# Altium PCB 1-quilter-input.PcbDoc (part 2 of 4) (continued)
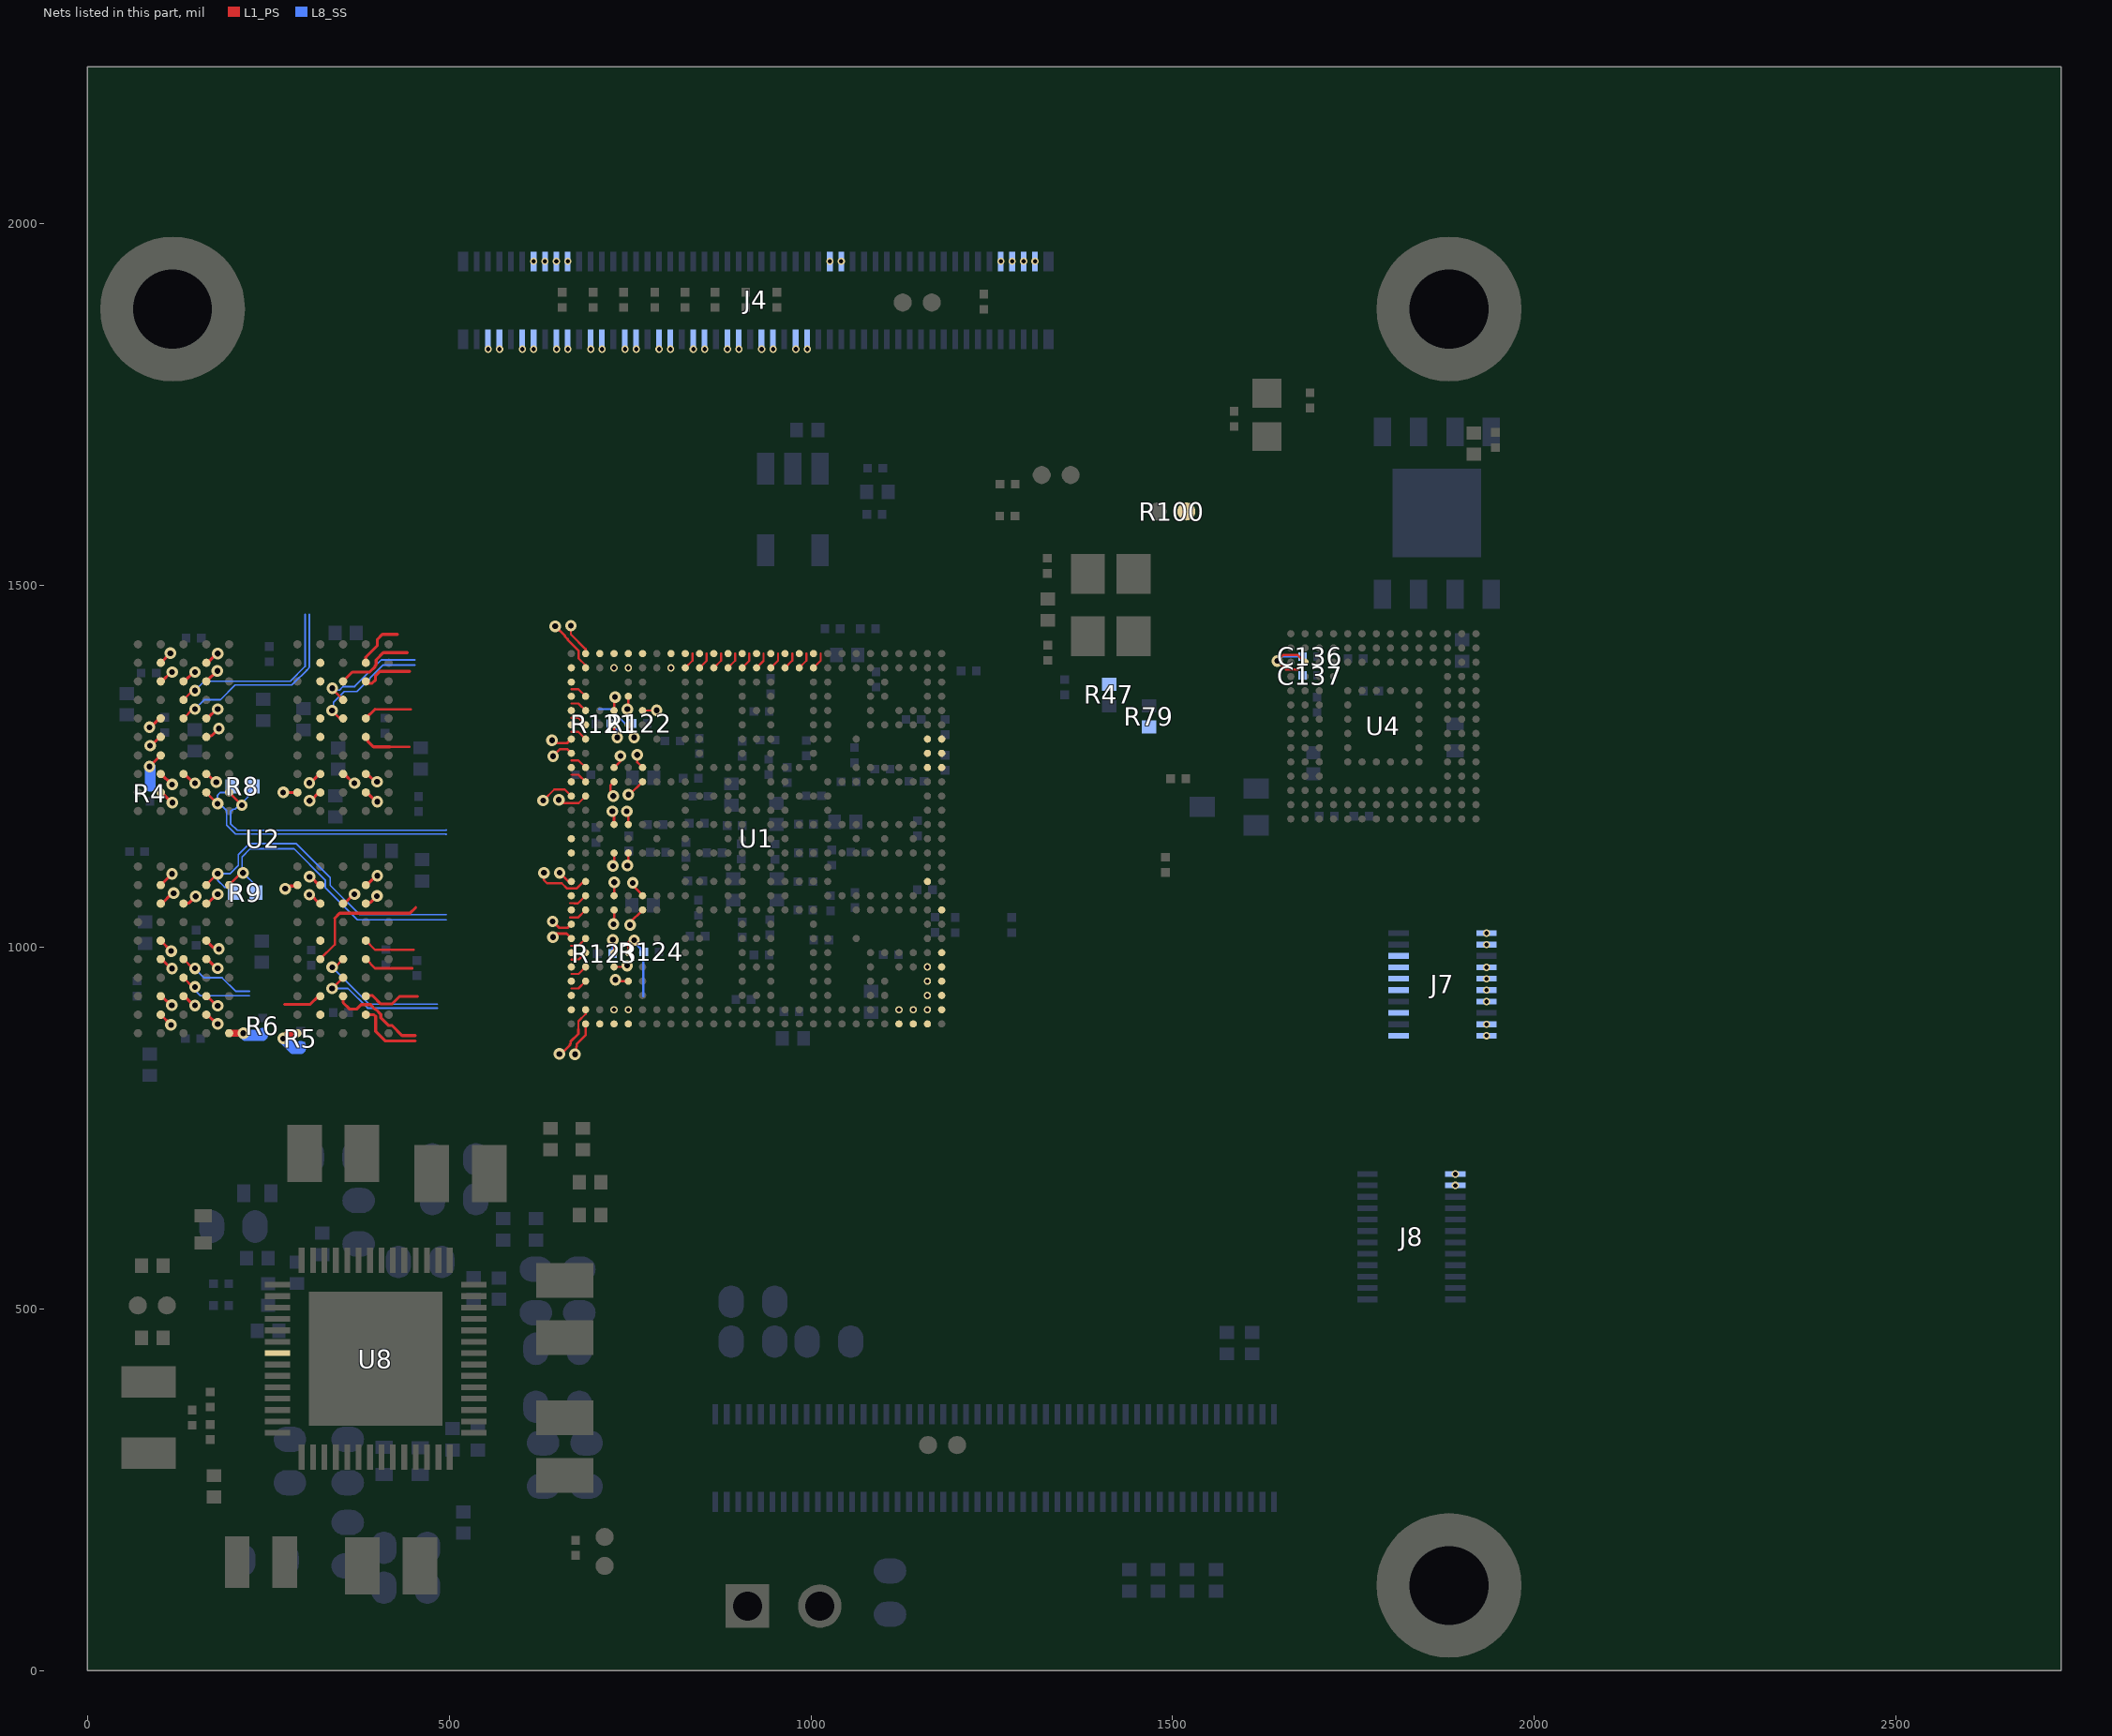
[diagram p3: the nets of this part, all layers, seen from the top]
## Part data (continued)
  R4: Part Reference=R4
  R18: Part Reference=R18
  R23: Part Reference=R23
  R117: ASSY_OPT=DNP, Part Reference=R117
  R118: ASSY_OPT=DNP, Part Reference=R118
  R119: ASSY_OPT=DNP, Part Reference=R119
  R120: ASSY_OPT=DNP, Part Reference=R120
  R121: ASSY_OPT=DNP, Part Reference=R121
  R122: ASSY_OPT=DNP, Part Reference=R122
  R123: ASSY_OPT=DNP, Part Reference=R123
  R124: ASSY_OPT=DNP, Part Reference=R124
R5 R6 R7: library part RES, "RES MF 240 OHM 1/20W 1% 0201", Temp Range="-55¡ãC ~ 125¡ãC", Tolerance=1%, Voltage=25V, AGILE_PN=470-81317, CAD_APPROVED=Yes, CLASS=DISCRETE, FPLIST=CC0201,CC0201_HD,0201_CC, HEIGHT=0.26MM, MFG_NAME01="YAGEO AMERICA", MFG_PN01=RC0201FR-07240RL, PCB Footprint=0201_CC, RoHS=Yes, Temp_Range="-55¡ãC ~ 125¡ãC"
  R5: Part Reference=R5
  R6: ASSY_OPT=DNP, Part Reference=R6
  R7: Part Reference=R7
R8 R9: library part RES, "RES MF 150 OHM 1/16W 1% 0402", Tolerance=1%, AGILE_PN=470-75353, ASSY_OPT=DNP, CAD_APPROVED=Yes, CLASS=DISCRETE, FPLIST=RC0402_25,RC0402_HD,0402_CC, HEIGHT=0.4MM, MFG_NAME01="NIC COMPONENTS CORP", MFG_PN01=NRCL04F1500TRF, PCB Footprint=0402_CC, RoHS=Yes
  R8: Part Reference=R8
  R9: Part Reference=R9
R10 R11 R12 R13 R14 R15 R16 R17 R133: library part RES, "RES MF 4.7K 1/20W 5% AEC-Q200 0201", Temp Range="-55C to +155C", Tolerance=5%, AGILE_PN=470-79700, CAD_APPROVED=Yes, CLASS=DISCRETE, FPLIST=RC0201,0201_CC, HEIGHT=0.25MM, MFG_NAME01="KOA SPEER", MFG_PN01=RK73B1HTTC472J, PCB Footprint=0201_CC, RoHS=Yes, Temp_Range="-55C to +155C"
  R10: Part Reference=R10
  R11: Part Reference=R11
  R12: Part Reference=R12
  R13: Part Reference=R13
  R14: Part Reference=R14
  R15: Part Reference=R15
  R16: ASSY_OPT=DNP, Part Reference=R16
  R17: ASSY_OPT=DNP, Part Reference=R17
  R133: Part Reference=R133
R20 R21 R102 R103 R106 R135: library part RES, "RES MF 100K 1/20W 1% 0201", Tolerance=1%, AGILE_PN=470-77704, CAD_APPROVED=Yes, CLASS=DISCRETE, FPLIST=RC0201,0201_CC, HEIGHT=0.26MM, MFG_NAME01=SKYMOS, MFG_PN01=RC-0201-104FT, PCB Footprint=0201_CC, RoHS=Yes
  R20: Part Reference=R20
  R21: Part Reference=R21
  R102: ASSY_OPT=DNP, Part Reference=R102
  R103: Part Reference=R103
  R106: Part Reference=R106
  R135: Part Reference=R135
R26: library part RES, "RES MF 510K 1/16W 5% 0402", Tolerance=5%, AGILE_PN=470-76166, CAD_APPROVED=Yes, CLASS=DISCRETE, FPLIST=RC0402_25,RC0402_HD,0402_CC, HEIGHT="0.4 MM", MFG_NAME01=PANASONIC, MFG_PN01=ERJ-2GEJ514X, Part Reference=R26, PCB Footprint=0402_CC, RoHS=Yes
R28: library part RES, "RES MF 8.2K  1/10W 1% AEC-Q200 0402", Temp Range="-55¡ãC to +155¡ãC", Tolerance=1%, AGILE_PN=470-30937, CAD_APPROVED=Yes, CLASS=DISCRETE, FPLIST=RC0402_25,RC0402_HD,0402_CC, HEIGHT="0.40 MM", MFG_NAME01="KOA SPEER", MFG_PN01=RK73H1ETTP8201F, Part Reference=R28, PCB Footprint=0402_CC, RoHS=Yes, Temp_Range="-55¡ãC to +155¡ãC"
R29 R30: library part RES, "RES MF 200 OHM 1/20W 1% 0201", Temp Range="-55¡ãC ~ 125¡ãC", Tolerance=1%, Voltage=25V, AGILE_PN=470-82323, CAD_APPROVED=Yes, CLASS=DISCRETE, FPLIST=RC0201,0201_CC, HEIGHT=0.26MM, MFG_NAME01="YAGEO AMERICA", MFG_PN01=RC0201FR-07200RL, PCB Footprint=0201_CC, RoHS=Yes, Temp_Range="-55¡ãC ~ 125¡ãC"
  R29: Part Reference=R29
  R30: Part Reference=R30
R37 R47 R71 R72 R75 R76 R79 R95 R97: library part RES, "RES MF 10K 1/16W 5% 0402", Tolerance=5%, AGILE_PN=470-75557, CAD_APPROVED=Yes, CLASS=DISCRETE, FPLIST=RC0402_25,RC0402_HD,0402_CC, HEIGHT="0.4 MM", MFG_NAME01="VISHAY INTERTECHNOLOGY", MFG_PN01=CRCW040210K0JNED, PCB Footprint=0402_CC, RoHS=Yes
  R37: Part Reference=R37
  R47: ASSY_OPT=DNP, Part Reference=R47, TOL=5%
  R71: ASSY_OPT=DNP, Part Reference=R71, TOL=5%
  R72: ASSY_OPT=DNP, Part Reference=R72, TOL=5%
  R75: ASSY_OPT=DNP, Part Reference=R75, TOL=5%
  R76: ASSY_OPT=DNP, Part Reference=R76, TOL=5%
  R79: ASSY_OPT=DNP, Part Reference=R79, TOL=5%
  R95: ASSY_OPT=DNP, Part Reference=R95, TOL=5%
  R97: ASSY_OPT=DNP, Part Reference=R97, TOL=5%
R48 R51 R52 R54 R55 R100 R111 R113 R114 R116 R127 R134 R140 R141 R142 R143 R144 R145 R146: library part RES, "RES MF ZERO OHM 1/16W 5% 0402", Tolerance=5%, Voltage=1/16W, AGILE_PN=470-75394, CAD_APPROVED=Yes, CLASS=DISCRETE, HEIGHT="0.45 MM", MFG_NAME01=ROHM, MFG_PN01=MCR01MZPJ000, RoHS=Yes
  R48: FPLIST=RC0402_25,RC0402_HD,RC0402_X2,0402_CC, Part Reference=R48, PCB Footprint=0402_CC
  R51: Part Reference=R51, PCB Footprint=0402_CC
  R52: FPLIST=RC0402_25,RC0402_HD,RC0402_X2,0402_CC, Part Reference=R52, PCB Footprint=0402_CC
  R54: FPLIST=RC0402_25,RC0402_HD,RC0402_X2,0402_CC, Part Reference=R54, PCB Footprint=0402_CC
  R55: FPLIST=RC0402_25,RC0402_HD,RC0402_X2,0402_CC, Part Reference=R55, PCB Footprint=RC0402_25
  R100: Part Reference=R100, PCB Footprint=RC0402_25, SIGNAL_MODEL=DEFAULT_RESISTOR_10000OHM_2_1, TOL=1%
  R111: Part Reference=R111, PCB Footprint=0402_CC, SIGNAL_MODEL=DEFAULT_RESISTOR_10000OHM_2_1, TOL=1%
  R113: FPLIST=RC0402_25,RC0402_HD,RC0402_X2,0402_CC, Part Reference=R113, PCB Footprint=RC0402_25, SIGNAL_MODEL=DEFAULT_RESISTOR_10000OHM_2_1, TOL=1%
  R114: Part Reference=R114, PCB Footprint=0402_CC
  R116: ASSY_OPT=DNP, Part Reference=R116, PCB Footprint=RC0402_25
  R127: FPLIST=RC0402_25,RC0402_HD,RC0402_X2,0402_CC, Part Reference=R127, PCB Footprint=RC0402_25
  R134: Part Reference=R134, PCB Footprint=RC0402_25, SIGNAL_MODEL=DEFAULT_RESISTOR_10000OHM_2_1, TOL=1%
  R140: ASSY_OPT=DNP, FPLIST=RC0402_25,RC0402_HD,RC0402_X2,0402_CC, Part Reference=R140, PCB Footprint=0402_CC
  R141: FPLIST=RC0402_25,RC0402_HD,RC0402_X2,0402_CC, Part Reference=R141, PCB Footprint=0402_CC
  R142: ASSY_OPT=DNP, FPLIST=RC0402_25,RC0402_HD,RC0402_X2,0402_CC, Part Reference=R142, PCB Footprint=0402_CC
  R143: FPLIST=RC0402_25,RC0402_HD,RC0402_X2,0402_CC, Part Reference=R143, PCB Footprint=0402_CC
  R144: ASSY_OPT=DNP, FPLIST=RC0402_25,RC0402_HD,RC0402_X2,0402_CC, Part Reference=R144, PCB Footprint=0402_CC
  R145: FPLIST=RC0402_25,RC0402_HD,RC0402_X2,0402_CC, Part Reference=R145, PCB Footprint=0402_CC
  R146: Part Reference=R146, PCB Footprint=0402_CC
R57: library part RES, "RES MF 1.0M 1/20W 5% AEC-Q200 0201", Temp Range="55¡ãC ~ 125¡ãC", Tolerance=5%, Voltage=25V, AGILE_PN=470-79975, ASSY_OPT=DNP, CAD_APPROVED=Yes, CLASS=DISCRETE, FPLIST=RC0201,0201_CC, HEIGHT=0.26MM, MFG_NAME01=PANASONIC, MFG_PN01=ERJ-1GNJ105C, Part Reference=R57, PCB Footprint=0201_CC, RoHS=Yes, Temp_Range="55¡ãC ~ 125¡ãC"
R108 R109: library part RES, "RES MF 30K 1/20W 1% 0201", Temp Range="-55¡ãC ~ 155¡ãC", Tolerance=1%, Voltage=25V, AGILE_PN=470-81353, CAD_APPROVED=Yes, CLASS=DISCRETE, FPLIST=RC0201,0201_CC, HEIGHT=0.26MM, MFG_NAME01="YAGEO AMERICA", MFG_PN01=RC0201FR-0730KL, PCB Footprint=0201_CC, RoHS=Yes, Temp_Range="-55¡ãC ~ 155¡ãC"
  R108: Part Reference=R108
  R109: Part Reference=R109
R125: library part RES, "RES MF 1.0K 1/20W 5% 0201", Temp Range="-55¡ãC ~ 125¡ãC", Tolerance=5%, Voltage=25V, AGILE_PN=470-81318, CAD_APPROVED=Yes, CLASS=DISCRETE, FPLIST=RC0201,0201_CC, HEIGHT=0.26MM, MFG_NAME01="WALSIN TECHNOLOGY CORP.", MFG_PN01="WR02X102 JAL", Part Reference=R125, PCB Footprint=0201_CC, RoHS=Yes, Temp_Range="-55¡ãC ~ 125¡ãC"
U1: library part MIMX8MM_BGA486P, "IC CPU QUAD CORTEX A53+M4 1.8GHZ BGA486", AGILE_PN=TMP-WF-32905, CAD_APPROVED=Yes, CLASS=IC, ClassName=CPU, HEIGHT=1.25MM, MFG_NAME01="NXP SEMICONDUCTORS", MFG_PN01=MIMX8MM6DVTLZAA, Part Reference=U1, PCB Footprint=bga486_0p5_14x14, PRE_APN=330-77072, RoHS=Yes, SPLIT_INST=TRUE
U2: library part MT53D512M32D2DS_BGA200P, "IC MEM MOBILE LPDDR4 DUAL-CH SINGLE RANK DISCRETE 512MbX32 1.1V  WFBGA200", Temp Range="-25¡ãC - 85¡ãC", AGILE_PN=334-77927, CAD_APPROVED=Yes, CLASS=IC, HEIGHT=0.8MM, MFG_NAME01=MICRON, MFG_PN01="MT53E512M32D2NP-046 WT:F", Part Reference=U2, PCB Footprint=bga200_0p65x0p8_10p1x14p6, RoHS=Yes, SPLIT_INST=TRUE, SWAP_INFO=(S1+S2)
U4: library part SDINBDG4-16G_VFBGA_153P, "IC MEM NAND FLASH 32GB eMMC 5.1 CTLR 2.7-3.6V FBGA153", Package Size="11.5 mm x 13 mm x 1 mm", Supply Voltage="2.7 V to 3.6 V", Temp Range="-25¡ãC to +85¡ãC", Voltage=2.7-3.6V, AGILE_PN=342-00840, CLASS=IC, HEIGHT=1MM, MFG_NAME01=SanDisk, MFG_PN01=SDINBDG4-32G-I1, Part Reference=U4, PCB Footprint=fbga153_0p5_11p5x13, RoHS=YES
U5: library part MT25QL256ABA1EW9_9P, "IC MEM FLASH SERIAL NOR 256MBIT 166MHZ 1.7-2V WPDFN8", Voltage=1.7-2V, AGILE_PN=334-77688, CAD_APPROVED=Yes, CLASS=IC, HEIGHT="0.8 MM", MFG_NAME01=MICRON, MFG_PN01=MT25QU256ABA1EW7-0SIT, Part Reference=U5, PCB Footprint=dfn8_1p27_6x5mm_3p1, RoHS=Yes
U8: library part PCA9450_HVQFN56P_A, "IC POWER MANAGEMENT 2.7-5.5V HVQFN56", Temp Range="-40 to 105C", Voltage=2.7-5.5V, AGILE_PN=TMP-WF-35243, CAD_APPROVED=Yes, CLASS=IC, HEIGHT=1MM, MFG_NAME01="NXP SEMICONDUCTORS", MFG_PN01=PCA9450AAHN, Part Reference=U8, PCB Footprint=hvqfn56_0p4_7x7_ep4p7mm, PRE_APN=315-82190, RoHS=Yes, SPLIT_INST=TRUE, SWAP_INFO=(S1+S2+S3), Temp_Range="-40 to 105C"
U10: library part NCV571_5P, "IC LIN VREG LDO 1.2V 150mA 1.5-5.5V SOT23-5", Temp Range="-40¡ã C to + 125¡ã C", 3D_Mechanical_Footprint_File=sot23-5, AGILE_PN=315-82406, CAD_APPROVED=Yes, CLASS=IC, HEIGHT=1.45MM, MFG_NAME01="ST MICROELECTRONICS", MFG_PN01=LD39015M12R, Part Reference=U10, PCB Footprint=sot23-5, RoHS=Yes, Temp_Range="-40¡ã C to + 125¡ã C"
Y1: library part XTAL_13Y, "XTAL 24MHZ 9pF -- SMT 3.2X2.5MM", AGILE_PN=230-77392, CAD_APPROVED=Yes, CLASS=IC, HEIGHT=0.60MM, MFG_NAME01="EPSON TOYOCOM CORPORATION", MFG_PN01="TSX-3225 24.0000MF15X-AC3", Part Reference=Y1, PCB Footprint=xtlosc4_3p2x2p5mm_sm, RoHS=Yes

## Via types
v1: diameter 16, hole 8, L1_PS to L8_SS, tented both sides, 329 vias
v2: diameter 10, hole 6, L1_PS to L8_SS, tented both sides, 205 vias
v3: diameter 16, hole 8, L1_PS to L8_SS, tented top, 52 vias

## Nets (pads, with @x,y where several pads share a name; then routed paths per layer and width w, separated by ;. In a path a pad name is that pad's centre, name@x,y a point inside that pad or via, vN(x,y) a via of type N, cw(c..) or ccw(c..) an arc to the next point about the centre after c; other vN are vias at no path point)
BOOT_MODE0: J4.98 R47.1 U1.G26
  other v2: 1293.97,1947.75
BOOT_MODE1: J4.100 R79.1 U1.G27
  other v2: 1309.72,1947.75
BT_WAKE_DEV: J8.1 U1.U26
  other v2: 1890.63,686.61
BT_WAKE_HOST: J8.3 U1.W27
  other v2: 1890.63,670.87
CLK_32K_OUT: R100.1 U8.7
CLKIN1: J4.94 U1.H27
  other v2: 1262.47,1947.75
CLKIN2: J4.96 U1.J27
  other v2: 1278.22,1947.75
CLKOUT1: J4.64 U1.H26
  other v2: 1026.25,1947.75
CLKOUT2: J4.66 U1.J26
  other v2: 1042,1947.75
CSI_CK_N: J4.45 U1.A16
  other v2: 884.77,1826.55
CSI_CK_P: J4.47 U1.B16 | length 23.8
  L1_PS w3: U1.B16@964.26,1386.12 974.25,1396.1 974.25,1405.81
  other v2: 900.52,1826.55
CSI_D0_N: J4.33 U1.A14
  other v2: 790.28,1826.55
CSI_D0_P: J4.35 U1.B14 | length 23.7
  L1_PS w3: U1.B14@924.89,1386.12 934.59,1395.82 934.59,1405.81
  other v2: 806.03,1826.55
CSI_D1_N: J4.39 U1.A15
  other v2: 837.53,1826.55
CSI_D1_P: J4.41 U1.B15 | length 23.8
  L1_PS w3: U1.B15@944.57,1386.12 954.57,1396.11 954.57,1405.81
  other v2: 853.27,1826.55
CSI_D2_N: J4.51 U1.A17
  other v2: 932.01,1826.55
CSI_D2_P: J4.53 U1.B17 | length 23.8
  L1_PS w3: U1.B17@983.95,1386.12 993.93,1396.1 993.93,1405.81
  other v2: 947.76,1826.55
CSI_D3_N: J4.57 U1.A18
  other v2: 979.26,1826.55
CSI_D3_P: J4.59 U1.B18 | length 23.8
  L1_PS w3: U1.B18@1003.63,1386.12 1013.62,1396.11 1013.62,1405.81
  other v2: 995.01,1826.55
DRAM_NRESET: R4.2 U1.R1 U2.T11 | length 49.3
  L1_PS w4.1: v3(86.18,1249.64) U2.T11@101.6,1265.06
  L8_SS w15: v3(86.18,1249.64) 86.89,1248.93 R4.2@86.89,1222.41
DRAM_VREF: U1.P1
DRAM_ZQ0: R5.2 U2.A5 | length 55.5
  L1_PS w10: v1(270.89,873.9) 278.19,881.2 U2.A5@290.57,881.2
  L8_SS w15: v1(270.89,873.9) 284.64,860.15 294.98,860.15 R5.2@294.98,863.14
DRAM_ZQ1: R6.2 U2.A8 | length 50.8
  L1_PS w10: U2.A8@196.09,881.2 v3(215.77,881.2)
  L8_SS w15: v3(215.77,881.2) 218.74,878.23 242.62,878.23 R6.2@242.62,881.22
DRAMA_CA0: U1.J6 U2.R2 | length 40.5
  L1_PS w3.3: v1(760.04,1265.84) 760.04,1255.69 U1.J6@767.41,1248.32
  L1_PS w4.1: U2.R2@385.06,1239.47 387.06,1239.47 397.89,1228.64 v3(400.53,1228.64)
DRAMA_CA1: U1.K6 U2.P2 | length 47.9
  L1_PS w3.3: v1(747.89,1210.9) 749.67,1210.9 U1.K6@767.41,1228.64
  L1_PS w4.1: U2.P2@385.06,1213.88 386.54,1213.88 399.33,1201.08 v3(400.81,1201.08)
DRAMA_CA2: U1.E4 U2.R9 | length 37.6
  L1_PS w3.3: U1.E4@728.04,1327.06 728.04,1344.39 v1(729.37,1345.72)
  L1_PS w4.1: U2.R9@164.59,1239.47 165.81,1239.47 177.09,1228.19 v1(178.3,1228.19)
DRAMA_CA3: U1.D5 U2.R10 | length 39.4
  L1_PS w3.3: v1(746.53,1328.94) 747.73,1330.14 U1.D5@747.73,1346.75
  L1_PS w4.1: U2.R10@133.09,1239.47 134.56,1239.47 147.37,1226.67 v3(148.84,1226.67)
DRAMA_CA4: U1.N4 U2.R11 | length 41.1
  L1_PS w3.3: v1(725.62,1187.9) 727.96,1185.56 727.96,1169.66 U1.N4@728.04,1169.58
  L1_PS w4.1: U2.R11@101.6,1239.47 102.2,1239.47 116.75,1224.92 v1(117.36,1224.92)
DRAMA_CA5: U1.N5 U2.P11 | length 41.1
  L1_PS w3: v1(745.62,1187.9) 747.73,1185.79 U1.N5@747.73,1169.58
  L1_PS w4.1: U2.P11@101.6,1213.88 102.63,1213.88 116.69,1199.82 v3(117.72,1199.82)
DRAMA_CK_C: R8.2 U1.L1 U2.P9 | length 454.4
  L1_PS w3: v1(630,1202.68) 645.29,1217.97 659.97,1217.97 U1.L1@668.98,1208.96
  L1_PS w3.3: U2.P9@164.59,1213.88 v1(180.13,1198.34)
  L8_SS w2.3: R8.2@199.9,1222.19 191.61,1213.9 183.89,1213.9 180.13,1210.14 v1(180.13,1198.34) 186.09,1198.34 186.09,1195.5 192.79,1188.8 192.79,1168.71 205.15,1156.35 495.65,1156.35 496,1156
DRAMA_CK_T: R8.1 U1.L2 U2.P8 | length 434.9
  L1_PS w3: v1(651.68,1203.62) 656.04,1199.26 678.97,1199.26 U1.L2@688.67,1208.96
  L1_PS w3.5: U2.P8@196.09,1213.88 v1(213.64,1196.33)
  L8_SS w2.3: v1(213.64,1196.33) 209.85,1196.33 204.34,1190.82 201.62,1190.82 198.09,1187.28 198.09,1170.9 207.34,1161.65 495.65,1161.65 496,1162 ; v1@213.64,1199.07 222.06,1207.49 222.06,1214.83 R8.1@229.42,1222.19
DRAMA_CKE0: R121.2 U1.F4 U2.P4 | length 61.9
  L1_PS w3: 728.04,1300.44 728.04,1294.39 v1(732.53,1289.9)
  L1_PS w3.3: 728.04,1300.44 U1.F4@728.04,1307.38
  L1_PS w4.1: v1(307.38,1202.51) 309.04,1202.51 320.41,1213.88 U2.P4@322.07,1213.88
  L8_SS w3: R121.2@723.4,1309.3 732.53,1300.17 v1(732.53,1289.9)
DRAMA_CKE1: R122.2 U1.F5 U2.P5 | length 114.9
  L1_PS w3: 747.73,1302.06 747.73,1298.06 v1(755.89,1289.9)
  L1_PS w3.3: 747.73,1302.06 U1.F5@747.73,1307.38
  L1_PS w4.1: v1(270.89,1213.88) U2.P5@290.57,1213.88
  L8_SS w3: 707.31,1328.94 723.52,1328.94 743.16,1309.3 R122.2@752.88,1309.3 752.88,1296.43 755.89,1293.42 v1(755.89,1289.9)
DRAMA_DATA0: U1.A5 U2.AA11 | length 18.8
  L1_PS w4.1: U2.AA11@101.6,1393.01 v3(114.89,1406.3)
DRAMA_DATA1: U1.B5 U2.Y11 | length 21
  L1_PS w4.1: U2.Y11@101.6,1367.42 103.08,1367.42 115.86,1380.21 v1(117.34,1380.21)
  other v2: 747.73,1386.12
DRAMA_DATA2: U1.D2 U2.V11 | length 44.3
  L1_PS w3: 668.98,1356.6 678.83,1356.6 U1.D2@688.67,1346.75
  L1_PS w4.1: v1(86.2,1303.93) 87.75,1303.93 100.06,1316.24 U2.V11@101.6,1316.24
DRAMA_DATA3: U1.D1 U2.U11 | length 19.7
  L1_PS w4.1: v1(86.94,1278.52) 88.2,1278.52 100.33,1290.65 U2.U11@101.6,1290.65
DRAMA_DATA4: U1.C1 U2.U9 | length 22.1
  L1_PS w4.1: U2.U9@164.59,1290.65 166.01,1292.07 171.8,1292.07 v3(181.93,1302.2)
DRAMA_DATA5: U1.B1 U2.V9 | length 21
  L1_PS w4.1: U2.V9@164.59,1316.24 166.08,1316.24 178.84,1329 v1(180.33,1329)
DRAMA_DATA6: U1.A3 U2.Y9 | length 21.3
  L1_PS w4.1: U2.Y9@164.59,1367.42 165,1367.42 179.48,1381.9 v3(179.89,1381.9)
DRAMA_DATA7: U1.B4 U2.AA9 | length 21
  L1_PS w4.1: U2.AA9@164.59,1393.01 166.06,1393.01 178.86,1405.81 v3(180.33,1405.81)
  other v2: 728.04,1386.12
DRAMA_DATA8: U1.F2 U2.AA2 | length 93.2
  L1_PS w3: 668.98,1317.22 678.83,1317.22 U1.F2@688.67,1307.38
  L1_PS w4.1: U2.AA2@385.06,1393.01 385.06,1400.99 400.95,1416.88 400.95,1425.44 407.91,1432.4 428.49,1432.4
DRAMA_DATA9: U1.G2 U2.Y2 | length 95.7
  L1_PS w3: 668.98,1297.55 678.83,1297.55 U1.G2@688.67,1287.7
  L1_PS w4.1: U2.Y2@385.06,1367.42 387.84,1364.64 393.65,1364.64 398.5,1369.49 398.5,1375.5 404.21,1381.21 445.48,1381.21
DRAMA_DATA10: U1.J1 U2.V4
DRAMA_DATA11: U1.J2 U2.V2 | length 90.8
  L1_PS w3: 668.98,1258.16 678.83,1258.16 U1.J2@688.67,1248.32
  L1_PS w3.3: 397.71,1328.89 446.89,1328.89
  L1_PS w4.1: U2.V2@385.06,1316.24 397.71,1328.89
DRAMA_DATA12: U1.K2 U2.U2 | length 91.6
  L1_PS w3: 668.98,1238.47 678.83,1238.47 U1.K2@688.67,1228.64
  L1_PS w3.3: 418.31,1276.97 445.3,1276.97
  L1_PS w4.1: U2.U2@385.06,1290.65 385.06,1288.65 387.76,1285.94 387.76,1284.73 395.52,1276.97 418.31,1276.97
DRAMA_DATA13: U1.K1 U2.U4
DRAMA_DATA14: U1.E1 U2.AA4
DRAMA_DATA15: U1.E2 U2.Y4 | length 23.8
  L1_PS w3: 668.98,1336.9 678.83,1336.9 U1.E2@688.67,1327.06
DRAMA_DMI0: U1.A4 U2.Y10 | length 21
  L1_PS w4.1: U2.Y10@133.09,1367.42 134.57,1367.42 147.36,1380.21 v1(148.84,1380.21)
DRAMA_DMI1: U1.F1 U2.Y3 | length 109.9
  L1_PS w4.1: U2.Y3@353.57,1367.42 366.37,1380.21 390.36,1380.21 397.86,1387.71 397.86,1389.11 399.2,1390.45 399.2,1397.03 409.17,1407 442.36,1407
DRAMA_nCS0: U1.K4 U2.R4 | length 51.7
  L1_PS w3.3: v1@722.89,1212.9 v1(726.89,1208.9) 722.89,1208.9 722.89,1223.49 U1.K4@728.04,1228.64
  L1_PS w4.1: v3(307,1227.15) 308.38,1227.15 320.69,1239.47 U2.R4@322.07,1239.47
DRAMA_nCS1: U1.J4 U2.R3 | length 40.7
  L1_PS w3.3: U1.J4@728.04,1248.32 736.91,1257.19 v1(736.91,1264.32)
  L1_PS w4.1: U2.R3@353.57,1239.47 355.04,1239.47 367.84,1226.67 v1(369.31,1226.67)
DRAMA_SDQS0_C: U1.B2 U2.V10 | length 351.3
  L1_PS w3: 678.87,1399.39 688.67,1389.59 U1.B2@688.67,1386.12
  L1_PS w3.2: 660.39,1429.86 660.39,1429.08 663.87,1425.6 663.87,1424.92 678.78,1410.01 678.78,1408.02 678.87,1407.93 678.87,1399.39
  L1_PS w3.3: U2.V10@133.09,1316.24 145.88,1329.03 v3(148.84,1329.03)
  L1_PS w3.5: v3(646.7,1443.55) 660.39,1429.86
  L8_SS w2.3: v3(148.84,1329.03) 161.75,1341.94 183.94,1341.94 204.42,1362.42 282.92,1362.42 286.02,1365.53 303.2,1382.7 306.3,1385.8 306.3,1386.31 307,1387.01 307,1460
DRAMA_SDQS0_T: U1.A2 U2.W10 | length 306
  L1_PS w3.2: v3(668.39,1444.4) 668.39,1432.4 688.67,1412.12 U1.A2@688.67,1405.81
  L1_PS w3.3: U2.W10@133.09,1341.83 145.88,1354.62 v3(148.84,1354.62)
  L8_SS w2.3: v3(148.84,1354.62) 161.94,1367.72 280.72,1367.72 301,1388 301,1460
DRAMA_SDQS1_C: U1.H1 U2.V3 | length 197.6
  L1_PS w3.3: v3(338.39,1327.17) 349.32,1316.24 U2.V3@353.57,1316.24
  L1_PS w3.5: v1(643.7,1264) 653.46,1273.76 663.23,1273.76 U1.H1@668.98,1268.01
  L8_SS w2.3: v3(338.39,1327.17) 340.44,1329.22 340.44,1338.62 355.12,1353.3 372.52,1353.3 409.22,1390 453,1390
DRAMA_SDQS1_T: U1.G1 U2.W3 | length 185.4
  L1_PS w3.3: v3(338.61,1357.86) 338.61,1356.79 U2.W3@353.57,1341.83
  L1_PS w3.5: v3(642.37,1285.93) 645.7,1285.93 649.57,1282.06 663.34,1282.06 U1.G1@668.98,1287.7
  L8_SS w2.3: v3(338.61,1357.86) 341.06,1355.41 348.71,1355.41 353.6,1360.3 369.62,1360.3 406.32,1397 453,1397
DRAMB_CA0: U1.W6 U2.H2 | length 47.3
  L1_PS w3.3: v1(750.19,1030.9) 750.19,1034.26 U1.W6@767.41,1051.48
  L1_PS w4.1: U2.H2@385.06,1060.33 386.48,1061.75 391.38,1061.75 v3(400.38,1070.75)
DRAMB_CA1: U1.V6 U2.J2 | length 44.4
  L1_PS w3.3: v1(753.89,1088.9) 753.89,1085.28 767.41,1071.76 U1.V6@767.41,1071.16
  L1_PS w4.1: U2.J2@385.06,1085.92 386.54,1085.92 399.33,1098.72 v3(400.81,1098.72)
DRAMB_CA2: U1.AC4 U2.H9 | length 39.9
  L1_PS w3: U1.AC4@728.04,972.74 744.23,972.74 v1(746.13,974.64)
  L1_PS w4.1: U2.H9@164.59,1060.33 166.06,1060.33 178.86,1073.13 v1(180.33,1073.13)
DRAMB_CA3: U1.AD5 U2.H10 | length 39.5
  L1_PS w3.3: v1(729.98,954.98) 731.91,953.05 U1.AD5@747.73,953.05
  L1_PS w4.1: U2.H10@133.09,1060.33 133.78,1061.02 140.63,1061.02 v3(149.89,1070.28)
DRAMB_CA4: U1.R4 U2.H11 | length 42.3
  L1_PS w3.3: v1(726.52,1112.27) 728.04,1113.79 U1.R4@728.04,1130.22
  L1_PS w4.1: U2.H11@101.6,1060.33 103.31,1060.33 117.65,1074.67 v1(119.36,1074.67)
DRAMB_CA5: U1.R5 U2.J11 | length 39.8
  L1_PS w3: v1(746.52,1112.9) 747.73,1114.11 U1.R5@747.73,1130.22
  L1_PS w4.1: U2.J11@101.6,1085.92 v3(117.13,1101.45)
DRAMB_CK_C: R9.2 U1.U1 U2.J9 | length 471
  L1_PS w3.3: U2.J9@164.59,1085.92 v1(180.27,1101.6) ; v1(652.84,1102.9) 664.9,1090.84 U1.U1@668.98,1090.84
  L8_SS w2.3: R9.2@203.56,1075.75 196.41,1082.9 189.89,1082.9 180.27,1092.52 v1(180.27,1101.6) 197.29,1101.6 208.7,1113.01 208.7,1127.94 223.76,1143 288.9,1143 335.89,1096.01 335.89,1085.5 376.4,1045 496,1045
DRAMB_CK_T: R9.1 U1.U2 U2.J8 | length 493.1
  L1_PS w3: v1(631.14,1102.9) 631.14,1092.65 635.24,1088.55 655.66,1088.55 663.07,1081.14 676.13,1081.14 685.83,1090.84 U1.U2@688.67,1090.84
  L1_PS w3.3: U2.J8@196.09,1085.92 212.89,1102.72 v1(215.39,1102.72)
  L8_SS w2.3: R9.1@233.08,1075.75 233.08,1085.03 v1(215.39,1102.72) 214,1104.11 214,1124.73 225.27,1136 286,1136 328.89,1093.11 328.89,1082.6 373.5,1038 496,1038
DRAMB_CKE0: R123.2 U1.AB4 U2.J4 | length 58.3
  L1_PS w3.3: v1(726.29,1010.19) 728.04,1008.44 U1.AB4@728.04,992.42
  L1_PS w4.1: v3(307.38,1097.29) 309.04,1097.29 320.41,1085.92 U2.J4@322.07,1085.92
  L8_SS w3: R123.2@726,989.86 726,1009.9 v1(726.29,1010.19)
DRAMB_CKE1: R124.2 U1.AB5 U2.J5 | length 125.6
  L1_PS w3.3: U1.AB5@747.73,992.42 747.72,1006.48 751.02,1009.78 v1(755.89,1009.78)
  L1_PS w4.1: v1(273.56,1080.83) 276.78,1080.83 280.45,1084.5 289.15,1084.5 U2.J5@290.57,1085.92
  L8_SS w3: v1(755.89,1009.78) 755.89,1006.79 768.6,994.08 768.6,932.17
DRAMB_DATA0: U1.AB2 U2.B2 | length 118.7
  L1_PS w3: 669.09,982.92 674.13,982.92 674.29,983.08 679.33,983.08 U1.AB2@688.67,992.42
  L1_PS w4.1: U2.B2@385.06,906.79 396.26,906.79 398.66,904.39 398.66,883.83 412.09,870.4 453.16,870.4
DRAMB_DATA1: U1.AA2 U2.C2 | length 105.2
  L1_PS w3: 668.65,1002 678.57,1002 U1.AA2@688.67,1012.1
  L1_PS w4.1: U2.C2@385.06,932.38 385.79,933.11 394.42,933.11 405.95,921.58 421.03,921.58 431.45,932 456.7,932
DRAMB_DATA2: U1.W1 U2.F2 | length 71.1
  L1_PS w3.3: U2.F2@385.06,1009.15 398,996.21 450.79,996.21
DRAMB_DATA3: U1.W2 U2.E2 | length 95
  L1_PS w3: 667.52,1041.29 672.91,1041.29 673.21,1041 678.19,1041 U1.W2@688.67,1051.48
  L1_PS w3.3: U2.E2@385.06,983.56 397.72,970.9 449.18,970.9
DRAMB_DATA4: U1.V2 U2.E4 | length 208.6
  L1_PS w3: 667.52,1060.97 672.91,1060.97 673.21,1060.68 678.19,1060.68 U1.V2@688.67,1071.16
  L1_PS w3.3: U2.E4@322.07,983.56 342.1,1003.6 342.1,1040.19
  L1_PS w4.1: 342.1,1040.19 348.91,1047 446,1047 454,1055
DRAMB_DATA5: U1.V1 U2.F4
DRAMB_DATA6: U1.AC1 U2.B4
DRAMB_DATA7: U1.AC2 U2.C4 | length 77.5
  L1_PS w3: 669,963 678.93,963 U1.AC2@688.67,972.74
  L1_PS w4.1: 273,921 307.99,921 319.37,932.38 U2.C4@322.07,932.38
DRAMB_DATA8: U1.AG5 U2.B11 | length 19.9
  L1_PS w4.1: U2.B11@101.6,906.79 v3(115.69,892.7)
DRAMB_DATA9: U1.AF5 U2.C11 | length 20.5
  L1_PS w4.1: U2.C11@101.6,932.38 103,932.38 115.48,919.9 v3(116.89,919.9)
  other v2: 747.73,913.68
DRAMB_DATA10: U1.AD2 U2.E11 | length 44.8
  L1_PS w3: 669,943 678.62,943 U1.AD2@688.67,953.05
  L1_PS w4.1: U2.E11@101.6,983.56 102.89,983.56 115.88,970.57 v3(117.17,970.57)
DRAMB_DATA11: U1.AD1 U2.F11 | length 20.4
  L1_PS w4.1: U2.F11@101.6,1009.15 v1(116.02,994.73)
DRAMB_DATA12: U1.AE1 U2.F9 | length 22.1
  L1_PS w4.1: U2.F9@164.59,1009.15 173.86,999.88 179.65,999.88 v3(181.93,997.6)
DRAMB_DATA13: U1.AF1 U2.E9 | length 21
  L1_PS w4.1: U2.E9@164.59,983.56 166.08,983.56 178.84,970.8 v1(180.33,970.8)
DRAMB_DATA14: U1.AG3 U2.C9 | length 21.3
  L1_PS w4.1: U2.C9@164.59,932.38 165.79,932.38 179.13,919.04 v1(180.33,919.04)
DRAMB_DATA15: U1.AF4 U2.B9 | length 21
  L1_PS w4.1: U2.B9@164.59,906.79 166.06,906.79 178.86,893.99 v3(180.33,893.99)
  other v2: 728.04,913.68
DRAMB_DMI0: U1.AB1 U2.C3 | length 135
  L1_PS w4.1: U2.C3@353.57,932.38 353.57,923.48 362.42,914.63 372.63,914.63 378.58,920.58 391.43,920.58 398.12,913.89 399.2,913.89 405.76,907.33 405.76,902.32 416.08,892 421.03,892 435.09,877.94 452.94,877.94
DRAMB_DMI1: U1.AG4 U2.C10 | length 21
  L1_PS w4.1: U2.C10@133.09,932.38 134.57,932.38 147.36,919.59 v1(148.84,919.59)
DRAMB_nCS0: U1.V4 U2.H4 | length 38.8
  L1_PS w3.3: U1.V4@728.04,1071.16 728.04,1088.81 728.08,1088.85 728.08,1089.56 v1(728.21,1089.69)
  L1_PS w4.1: v3(307,1072.65) 308.38,1072.65 320.69,1060.33 U2.H4@322.07,1060.33
DRAMB_nCS1: U1.W4 U2.H3 | length 41
  L1_PS w3.3: v1(727.24,1031.9) 728.04,1032.7 U1.W4@728.04,1051.48
  L1_PS w4.1: U2.H3@353.57,1060.33 355.04,1060.33 367.84,1073.13 v3(369.31,1073.13)
DRAMB_SDQS0_C: U1.Y1 U2.E3 | length 217.6
  L1_PS w3.3: v3(338.58,972.29) 342.3,972.29 U2.E3@353.57,983.56
  L1_PS w3.5: v1(643.17,1035.7) 651.87,1027 664.19,1027 U1.Y1@668.98,1031.79
  L8_SS w2.3: v3(338.58,972.29) 389.57,921.3 484,921.3
DRAMB_SDQS0_T: U1.AA1 U2.D3 | length 208.1
  L1_PS w3.3: v3(338.49,943.03) 353.43,957.97 U2.D3@353.57,957.97
  L1_PS w3.5: v1(643.56,1014) 648.26,1018.7 662.38,1018.7 U1.AA1@668.98,1012.1
  L8_SS w2.3: v3(338.49,943.03) 360.34,943.03 387.37,916 484,916
DRAMB_SDQS1_C: U1.AF2 U2.E10 | length 186.9
  L1_PS w3: 678.68,886.35 678.68,897.73 688.67,907.72 U1.AF2@688.67,913.68
  L1_PS w3.3: U2.E10@133.09,983.56 145.88,970.77 v3(148.84,970.77)
  L1_PS w3.5: v3(652.41,852.45) 654.56,852.45 667,864.89 667,866 668.06,867.06 668.06,869.61 678.68,880.23 678.68,886.35
  L8_SS w2.3: v3(148.84,970.77) 161.75,957.86 186.51,957.86 205.37,939 224,939
DRAMB_SDQS1_T: U1.AG2 U2.D10 | length 151.8
  L1_PS w3.2: v3(674.11,852.11) 675.93,853.93 675.93,862.5 676.36,862.93
  L1_PS w3.3: U2.D10@133.09,957.97 145.88,945.18 v3(148.84,945.18)
  L1_PS w3.5: 676.36,862.93 676.36,866.17 688.67,878.48 U1.AG2@688.67,893.99
  L8_SS w2.3: v3(148.84,945.18) 148.84,940.64 156.48,933 224,933
DSI_CK_N: J4.15 U1.A11
  other v2: 648.55,1826.55
DSI_CK_P: J4.17 U1.B11 | length 23.8
  L1_PS w3: U1.B11@865.83,1386.12 875.83,1396.11 875.83,1405.81
  other v2: 664.3,1826.55
DSI_D0_N: J4.3 U1.A9
  other v2: 554.06,1826.55
DSI_D0_P: J4.5 U1.B9 | length 23.8
  L1_PS w3: U1.B9@826.47,1386.12 836.45,1396.1 836.45,1405.81
  other v2: 569.81,1826.55
DSI_D1_N: J4.9 U1.A10
  other v2: 601.31,1826.55
DSI_D1_P: J4.11 U1.B10 | length 23.7
  L1_PS w3: U1.B10@846.15,1386.12 855.85,1395.82 855.85,1405.81
  other v2: 617.05,1826.55
DSI_D2_N: J4.21 U1.A12
  other v2: 695.79,1826.55
DSI_D2_P: J4.23 U1.B12 | length 23.8
  L1_PS w3: U1.B12@885.52,1386.12 895.51,1396.1 895.51,1405.81
  other v2: 711.54,1826.55
DSI_D3_N: J4.27 U1.A13
  other v2: 743.04,1826.55
DSI_D3_P: J4.29 U1.B13 | length 23.7
  L1_PS w3: U1.B13@905.21,1386.12 914.91,1395.82 914.91,1405.81
  other v2: 758.79,1826.55
ECSPI2_MISO: J4.16 U1.A8
  other v2: 648.3,1947.75
ECSPI2_MOSI: J4.18 U1.B8
  other v2: 806.78,1386.12 664.05,1947.75
ECSPI2_SCLK: J4.14 U1.E6 | length 19.6
  L1_PS w3: U1.E6@767.41,1327.06 786.49,1327.06 v1(786.89,1327.46)
  other v2: 632.55,1947.75
ECSPI2_SS0: J4.12 U1.A6
  other v2: 616.8,1947.75
EMMC_VDDIM: C136.1 C137.1 U4.C2 | length 156.9
  L1_PS w3: v1(1644.42,1395.66) 1656.22,1383.86 1672.93,1383.86 U4.C2@1682.91,1393.84 1673.04,1403.71 1652.47,1403.71 v1(1644.42,1395.66)
  L8_SS w3: v1(1644.42,1395.66) 1650.42,1401.66 C136.1@1679.38,1401.66 C137.1@1679.38,1375.66
ENET_MDC: J7.18 U1.AC27
  other v2: 1933.49,1003.69
ENET_MDIO: J7.20 U1.AB27
  other v2: 1933.49,1019.44
ENET_RD0: J7.8 U1.AE27
  other v2: 1933.49,924.95
ENET_RD1: J7.10 U1.AD27
  other v2: 1933.49,940.7
ENET_RD2: J7.12 U1.AD26
  other v2: 1161.11,953.05 1933.49,956.44
ENET_RD3: J7.14 U1.AC26
  other v2: 1933.49,972.19 1161.11,972.74
ENET_RX_CTL: J7.2 U1.AF27
  other v2: 1933.49,877.7
ENET_RXC: J7.4 U1.AE26
  other v2: 1933.49,893.45 1161.11,933.36
ENET_TD0: J7.9 U1.AG26
ENET_TD1: J7.11 U1.AF26
  other v2: 1161.11,913.68
ENET_TD2: J7.13 U1.AG25
ENET_TD3: J7.15 U1.AF25
  other v2: 1141.43,913.68
ENET_TX_CTL: J7.1 U1.AF24
  other v2: 1121.74,913.68
ENET_TXC: J7.5 U1.AG24

## Text inside footprints (layer, text, board x,y; h text height)
U2: Top Assembly "1" at 423.33,844.9 h20 r180; Top Assembly "12" at 72.33,839.9 h20 r180; Top Assembly "A" at 473.33,889.9 h20 r180; Top Assembly "AB" at 493.33,1424.9 h20 r180; Top Pin Number "N2" at 377.06,1188.29 h10 r180; Top Pin Number "P3" at 345.56,1213.88 h10 r180; Top Pin Number "P1" at 408.55,1213.88 h10 r180; Top Pin Number "U12" at 58.1,1290.65 h10 r180; Top Pin Number "G9" at 156.59,1034.74 h10 r180; Top Pin Number "F1" at 408.55,1009.15 h10 r180; Top Pin Number "G4" at 314.07,1034.74 h10 r180; Top Pin Number "U1" at 408.55,1290.65 h10 r180; Top Pin Number "AA8" at 184.08,1393.01 h10 r180; Top Pin Number "W5" at 282.57,1341.83 h10 r180; Top Pin Number "W8" at 188.08,1341.83 h10 r180; Top Pin Number "W12" at 58.1,1341.83 h10 r180; Top Pin Number "AB9" at 152.59,1418.6 h10 r180; Top Pin Number "AA10" at 117.09,1393.01 h10 r180; Top Pin Number "R5" at 282.57,1239.47 h10 r180; Top Pin Number "U5" at 282.57,1290.65 h10 r180; Top Pin Number "U8" at 188.08,1290.65 h10 r180; Top Pin Number "U10" at 121.09,1290.65 h10 r180; Top Pin Number "N10" at 121.09,1188.29 h10 r180; Top Pin Number "R8" at 188.08,1239.47 h10 r180; Top Pin Number "R12" at 58.1,1239.47 h10 r180; Top Pin Number "N12" at 58.1,1188.29 h10 r180; Top Pin Number "H5" at 282.57,1060.34 h10 r180; Top Pin Number "D5" at 282.57,957.97 h10 r180; Top Pin Number "H8" at 188.08,1060.34 h10 r180; Top Pin Number "K10" at 121.09,1111.52 h10 r180; Top Pin Number "D8" at 188.08,957.97 h10 r180; Top Pin Number "F5" at 282.57,1009.15 h10 r180; Top Pin Number "F8" at 188.08,1009.15 h10 r180; Top Pin Number "F10" at 121.09,1009.15 h10 r180; Top Pin Number "H12" at 58.1,1060.34 h10 r180; Top Pin Number "K12" at 58.1,1111.52 h10 r180; Top Pin Number "D12" at 58.1,957.97 h10 r180; Top Pin Number "A4" at 314.07,881.2 h10 r180; Top Pin Number "B3" at 345.56,906.79 h10 r180; Top Pin Number "B5" at 282.57,906.79 h10 r180; Top Pin Number "B8" at 188.08,906.79 h10 r180; Top Pin Number "A9" at 156.59,881.2 h10 r180; Top Pin Number "B10" at 121.09,906.79 h10 r180; Top Pin Number "T2" at 377.06,1265.06 h10 r180; Top Pin Number "W1" at 408.55,1341.83 h10 r180; Top Pin Number "R1" at 408.55,1239.47 h10 r180; Top Pin Number "N1" at 408.55,1188.29 h10 r180; Top Pin Number "K1" at 408.55,1111.52 h10 r180; Top Pin Number "H1" at 408.55,1060.34 h10 r180; Top Pin Number "D1" at 408.55,957.97 h10 r180; Top Pin Number "U3" at 345.56,1290.65 h10 r180; Top Pin Number "N3" at 345.56,1188.29 h10 r180; Top Pin Number "K3" at 345.56,1111.52 h10 r180; Top Pin Number "F3" at 345.56,1009.15 h10 r180; Top Pin Number "G2" at 377.06,1034.74 h10 r180; Top Pin Number "Y4" at 314.07,1367.42 h10 r180; Top Pin Number "R11" at 89.59,1239.47 h10 r180; Top Pin Number "V3" at 345.56,1316.24 h10 r180; Top Pin Number "R10" at 121.09,1239.47 h10 r180; Top Pin Number "H9" at 156.59,1060.34 h10 r180; Top Pin Number "W3" at 345.56,1341.83 h10 r180; Top Pin Number "B4" at 314.07,906.79 h10 r180; Top Pin Number "J5" at 282.57,1085.93 h10 r180; Top Pin Number "Y2" at 377.06,1367.42 h10 r180; Top Pin Number "C10" at 121.09,932.38 h10 r180; Top Pin Number "R4" at 314.07,1239.47 h10 r180; Top Pin Number "E4" at 314.07,983.56 h10 r180; Top Pin Number "J8" at 188.08,1085.93 h10 r180; Top Pin Number "D10" at 121.09,957.97 h10 r180; Top Pin Number "H11" at 89.59,1060.34 h10 r180; Top Pin Number "H10" at 121.09,1060.34 h10 r180; Top Pin Number "P8" at 188.08,1213.88 h10 r180; Top Pin Number "F12" at 58.1,1009.15 h10 r180; Top Pin Number "T4" at 314.07,1265.06 h10 r180; Top Pin Number "T9" at 156.59,1265.06 h10 r180; Top Pin Number "AB11" at 85.59,1418.6 h10 r180; Top Pin Number "AB1" at 404.55,1418.6 h10 r180; Top Pin Number "AA12" at 54.1,1393.01 h10 r180; Top Pin Number "AA1" at 404.55,1393.01 h10 r180; Top Pin Number "A2" at 377.06,881.2 h10 r180; Top Pin Number "A12" at 58.1,881.2 h10 r180; Top Pin Number "A11" at 89.59,881.2 h10 r180; Top Pin Number "A1" at 408.55,881.2 h10 r180; Top Pin Number "P11" at 89.59,1213.88 h10 r180; Top Pin Number "H2" at 377.06,1060.34 h10 r180; Top Pin Number "J9" at 156.59,1085.93 h10 r180; Top Pin Number "H4" at 314.07,1060.34 h10 r180; Top Pin Number "U9" at 156.59,1290.65 h10 r180; Top Pin Number "V2" at 377.06,1316.24 h10 r180; Top Pin Number "V9" at 156.59,1316.24 h10 r180; Top Pin Number "Y10" at 121.09,1367.42 h10 r180; Top Pin Number "J2" at 377.06,1085.93 h10 r180; Top Pin Number "AA11" at 85.59,1393.01 h10 r180; Top Pin Number "T11" at 89.59,1265.06 h10 r180; Top Pin Number "B2" at 377.06,906.79 h10 r180; Top Pin Number "J11" at 89.59,1085.93 h10 r180; Top Pin Number "C11" at 89.59,932.38 h10 r180; Top Pin Number "F2" at 377.06,1009.15 h10 r180; Top Pin Number "C4" at 314.07,932.38 h10 r180; Top Pin Number "W10" at 121.09,1341.83 h10 r180; Top Pin Number "U11" at 89.59,1290.65 h10 r180; Top Pin Number "B11" at 89.59,906.79 h10 r180; Top Pin Number "E2" at 377.06,983.56 h10 r180; Top Pin Number "A5" at 282.57,881.2 h10 r180; Top Pin Number "R2" at 377.06,1239.47 h10 r180; Top Pin Number "C2" at 377.06,932.38 h10 r180; Top Pin Number "U4" at 314.07,1290.65 h10 r180; Top Pin Number "P4" at 314.07,1213.88 h10 r180; Top Pin Number "R9" at 156.59,1239.47 h10 r180; Top Pin Number "V4" at 314.07,1316.24 h10 r180; Top Pin Number "E3" at 345.56,983.56 h10 r180; Top Pin Number "F11" at 89.59,1009.15 h10 r180; Top Pin Number "AA9" at 152.59,1393.01 h10 r180; Top Pin Number "F4" at 314.07,1009.15 h10 r180; Top Pin Number "V10" at 121.09,1316.24 h10 r180; Top Pin Number "E9" at 156.59,983.56 h10 r180; Top Pin Number "P9" at 156.59,1213.88 h10 r180; Top Pin Number "P5" at 282.57,1213.88 h10 r180; Top Pin Number "E11" at 89.59,983.56 h10 r180; Top Pin Number "V11" at 89.59,1316.24 h10 r180; Top Pin Number "Y11" at 89.59,1367.42 h10 r180; Top Pin Number "AA4" at 310.07,1393.01 h10 r180; Top Pin Number "B9" at 156.59,906.79 h10 r180; Top Pin Number "R3" at 345.56,1239.47 h10 r180; Top Pin Number "H3" at 345.56,1060.34 h10 r180; Top Pin Number "C9" at 156.59,932.38 h10 r180; Top Pin Number "F9" at 156.59,1009.15 h10 r180; Top Pin Number "Y9" at 156.59,1367.42 h10 r180; Top Pin Number "E10" at 121.09,983.56 h10 r180; Top Pin Number "P2" at 377.06,1213.88 h10 r180; Top Pin Number "J4" at 314.07,1085.93 h10 r180; Top Pin Number "D3" at 345.56,957.97 h10 r180; Top Pin Number "AA2" at 373.06,1393.01 h10 r180; Top Pin Number "A8" at 188.08,881.2 h10 r180; Top Pin Number "Y3" at 345.56,1367.42 h10 r180; Top Pin Number "C3" at 345.56,932.38 h10 r180; Top Pin Number "AA3" at 341.56,1393.01 h10 r180; Top Pin Number "AB4" at 310.07,1418.6 h10 r180; Top Pin Number "AA5" at 278.57,1393.01 h10 r180; Top Pin Number "J1" at 408.55,1085.93 h10 r180; Top Pin Number "K2" at 377.06,1111.52 h10 r180; Top Pin Number "J3" at 345.56,1085.93 h10 r180; Top Pin Number "W4" at 314.07,1341.83 h10 r180; Top Pin Number "Y5" at 282.57,1367.42 h10 r180; Top Pin Number "D4" at 314.07,957.97 h10 r180; Top Pin Number "C5" at 282.57,932.38 h10 r180; Top Pin Number "Y8" at 188.08,1367.42 h10 r180; Top Pin Number "W9" at 156.59,1341.83 h10 r180; Top Pin Number "K9" at 156.59,1111.52 h10 r180; Top Pin Number "J10" at 121.09,1085.93 h10 r180; Top Pin Number "A10" at 121.09,881.2 h10 r180; Top Pin Number "C8" at 188.08,932.38 h10 r180; Top Pin Number "D9" at 156.59,957.97 h10 r180; Top Pin Number "Y1" at 408.55,1367.42 h10 r180; Top Pin Number "W2" at 377.06,1341.83 h10 r180; Top Pin Number "T3" at 345.56,1265.06 h10 r180; Top Pin Number "V1" at 408.55,1316.24 h10 r180; Top Pin Number "T1" at 408.55,1265.06 h10 r180; Top Pin Number "W11" at 89.59,1341.83 h10 r180; Top Pin Number "V12" at 58.1,1316.24 h10 r180; Top Pin Number "V8" at 188.08,1316.24 h10 r180; Top Pin Number "T8" at 188.08,1265.06 h10 r180; Top Pin Number "T10" at 121.09,1265.06 h10 r180; Top Pin Number "AB8" at 184.08,1418.6 h10 r180; Top Pin Number "V5" at 282.57,1316.24 h10 r180; Top Pin Number "AB5" at 278.57,1418.6 h10 r180; Top Pin Number "Y12" at 58.1,1367.42 h10 r180; Top Pin Number "T12" at 58.1,1265.06 h10 r180; Top Pin Number "T5" at 282.57,1265.06 h10 r180; Top Pin Number "N4" at 314.07,1188.29 h10 r180; Top Pin Number "K11" at 89.59,1111.52 h10 r180; Top Pin Number "J12" at 58.1,1085.93 h10 r180; Top Pin Number "C1" at 408.55,932.38 h10 r180; Top Pin Number "D2" at 377.06,957.97 h10 r180; Top Pin Number "E1" at 408.55,983.56 h10 r180; Top Pin Number "D11" at 89.59,957.97 h10 r180; Top Pin Number "E12" at 58.1,983.56 h10 r180; Top Pin Number "E8" at 188.08,983.56 h10 r180; Top Pin Number "G8" at 188.08,1034.74 h10 r180; Top Pin Number "G10" at 121.09,1034.74 h10 r180; Top Pin Number "E5" at 282.57,983.56 h10 r180; Top Pin Number "G5" at 282.57,1034.74 h10 r180; Top Pin Number "C12" at 58.1,932.38 h10 r180; Top Pin Number "G12" at 58.1,1034.74 h10 r180; Top Pin Number "G3" at 345.56,1034.74 h10 r180; Top Pin Number "P12" at 58.1,1213.88 h10 r180; Top Pin Number "N11" at 89.59,1188.29 h10 r180; Top Pin Number "G1" at 408.55,1034.74 h10 r180; Top Pin Number "K4" at 314.07,1111.52 h10 r180; Top Pin Number "AB3" at 341.56,1418.6 h10 r180; Top Pin Number "A3" at 345.56,881.2 h10 r180; Top Pin Number "P10" at 121.09,1213.88 h10 r180; Top Pin Number "N9" at 156.59,1188.29 h10 r180; Top Pin Number "AB10" at 117.09,1418.6 h10 r180; Top Pin Number "N8" at 188.08,1188.29 h10 r180; Top Pin Number "N5" at 282.57,1188.29 h10 r180; Top Pin Number "K8" at 188.08,1111.52 h10 r180; Top Pin Number "K5" at 282.57,1111.52 h10 r180; Top Pin Number "G11" at 89.59,1034.74 h10 r180; Top Pin Number "B12" at 58.1,906.79 h10 r180; Top Pin Number "B1" at 408.55,906.79 h10 r180; Top Pin Number "AB2" at 373.06,1418.6 h10 r180; Top Pin Number "AB12" at 54.1,1418.6 h10 r180